# Altium PCB ASK.PcbDoc (part 2 of 2)
Units mm, origin at the board's own origin, x right, y up, seen from the top; angles counter-clockwise.
Board outline 284.7 x 94.21 mm, 2 copper layers (Component Side, Bottom Layer), stack 1.571 mm thick; 168 components, 105 nets, 606 pads, 93 vias.
Unrouted connection lines stored in the file: 2.
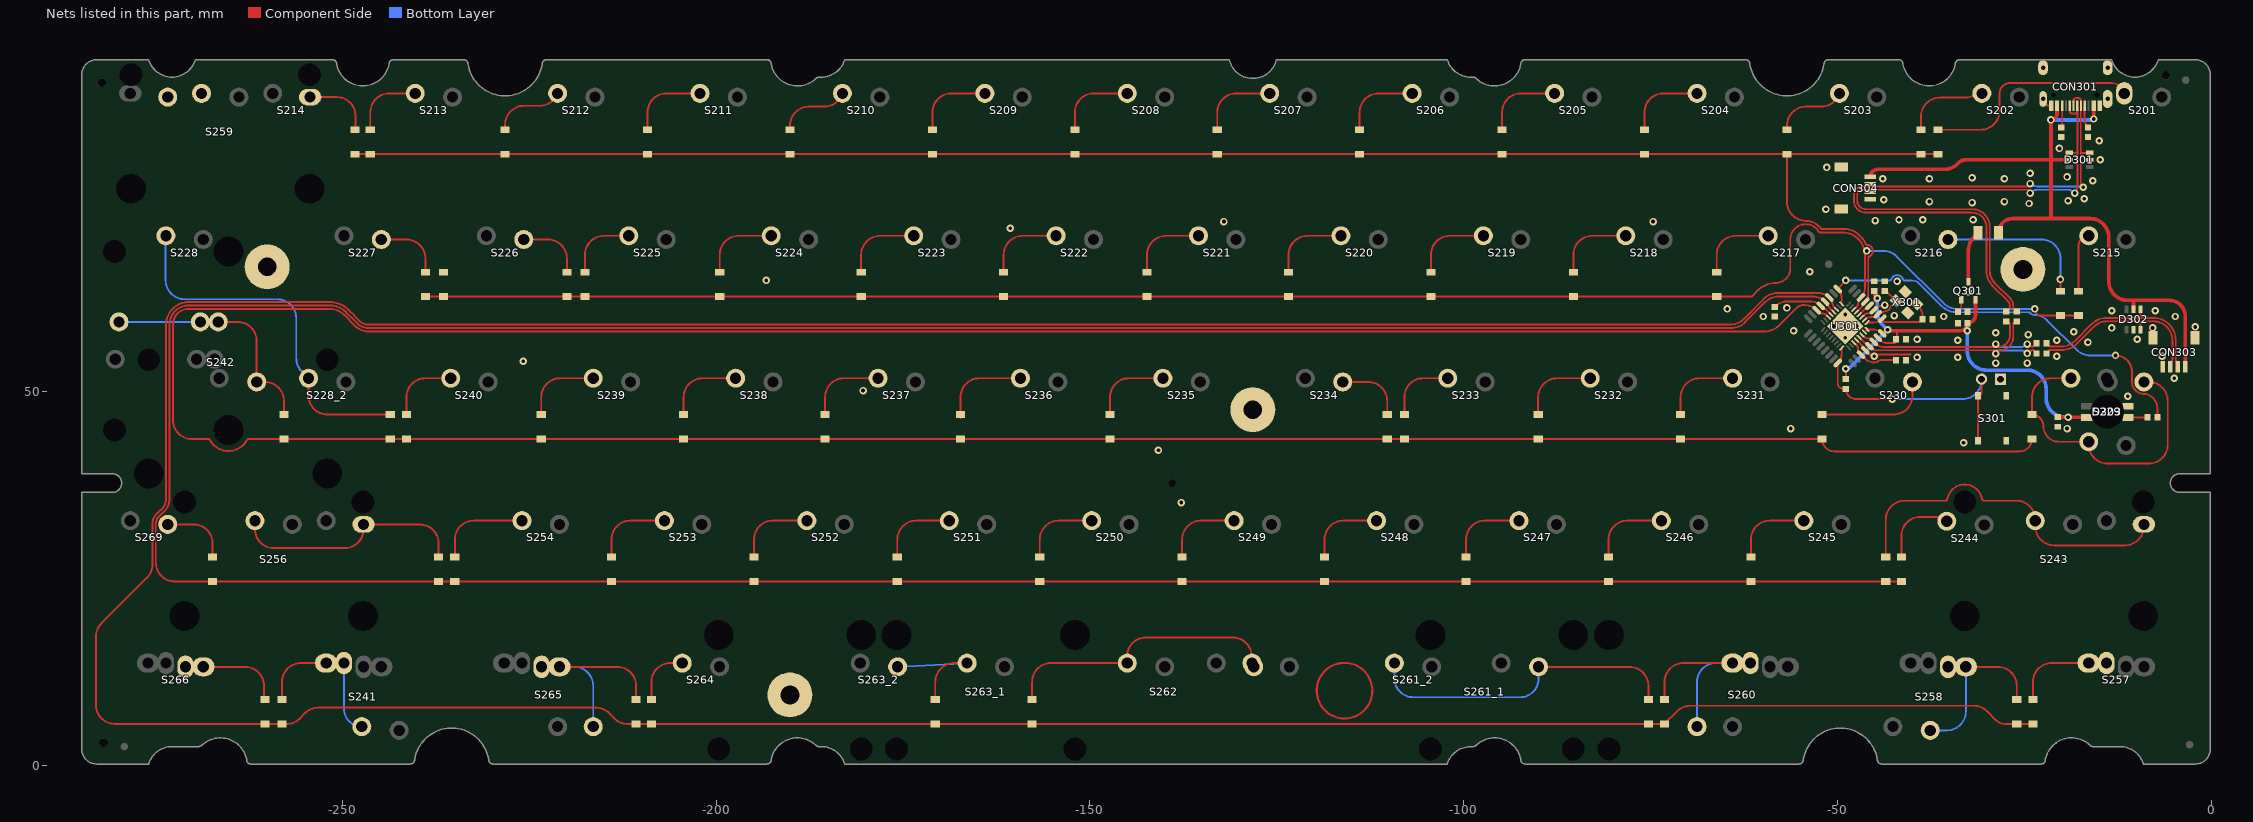
[diagram p2: the nets of this part, all layers, seen from the top]

## Via types
v1: diameter 1, hole 0.5, Component Side to Bottom Layer, tented both sides, 88 vias
v2: diameter 1, hole 0.5, Component Side to Bottom Layer, tented bottom, 5 vias

## Nets (pads, with @x,y where several pads share a name; then routed paths per layer and width w, separated by ;. In a path a pad name is that pad's centre, name@x,y a point inside that pad or via, vN(x,y) a via of type N, cw(c..) or ccw(c..) an arc to the next point about the centre after c; other vN are vias at no path point) (continued)
D_ALT_N: CON303.2 D302.4 R309.2 | length 25.4
  Component Side w0.254: R309.2@-22.083,56.515 -21.827,56.259 cw(c-21.868,56.218) -21.81,56.218 ccw(c-21.752,56.218) -21.793,56.177 ccw(c-21.475,56.495) -21.475,56.045 -20.076,56.045 ccw(c-20.076,58.585) -18.28,56.789 -16.053,59.015 ; -16.052,59.016 cw(c-13.935,56.899) -13.935,59.893 -9.525,59.893 ; D302.4@-9.464,61.065 -9.464,59.954 cw(c-9.525,59.954) -9.525,59.893 ; CON303.2@-4.5,53.375 -4.5,53.658 ccw(c-4.963,53.658) -4.636,53.986 cw(c-4.308,54.313) -4.771,54.313 -4.771,56.896 ccw(c-7.769,56.896) -7.769,59.893 -9.525,59.893
D_ALT_P: CON303.3 D302.3 R308.2 | length 24.6
  Component Side w0.254: R308.2@-22.083,55.118 -21.827,55.374 ccw(c-21.868,55.415) -21.81,55.415 cw(c-21.752,55.415) -21.793,55.456 cw(c-21.475,55.138) -21.475,55.588 -20.074,55.588 ccw(c-20.074,58.582) -17.957,56.465 -15.73,58.692 cw(c-13.934,56.896) -13.934,59.436 -9.525,59.436 ; D302.3@-9.464,58.315 -9.464,59.375 ccw(c-9.525,59.375) -9.525,59.436 ; CON303.3@-5.5,53.375 -5.5,53.658 cw(c-5.037,53.658) -5.364,53.986 ccw(c-5.692,54.313) -5.229,54.313 -5.229,56.896 ccw(c-7.769,56.896) -7.769,59.436 -9.525,59.436
D_N: CON301.A7 CON301.B7 CON304.2 D301.3 R305.2 | length 79.2
  Component Side w0.254: -29.222,64.136 cw(c-27.105,66.252) -30.099,66.252 -30.099,72.06 ccw(c-32.004,72.06) -32.004,73.965 -45.68,73.965 -46.228,73.965 cw(c-46.228,75.565) -47.828,75.565 -47.828,76.386 cw(c-46.736,76.386) -46.736,77.479 v1@-24.384,77.479 ; -29.221,64.135 -27.25,62.164 cw(c-27.946,61.468) -26.962,61.468 -26.962,61.329 cw(c-27.412,61.329) -27.094,61.011 cw(c-27.135,61.052) -27.135,60.994 ccw(c-27.135,60.936) -27.176,60.977 R305.2@-27.432,60.721 ; CON301.A7@-18.427,88.642 -18.427,88.975 cw(c-18.1,88.975) -18.1,89.302 -17.8,89.302 cw(c-17.8,88.975) -17.473,88.975 -17.473,88.356 ccw(c-17.219,88.356) CON301.B7@-17.45,88.25 ccw(c-17.45,88.229) -17.471,88.229 -17.471,81.915 ; v1(-17.145,77.343) -17.471,77.669 -17.471,81.915 ; D301.3@-16.278,81.976 cw(c-16.425,82.123) -16.425,81.915 -17.471,81.915
  Bottom Layer w0.254: v1(-24.257,77.851) ccw(c-23.358,78.75) -23.358,77.479 -17.472,77.479 cw(c-17.472,77.016) v1(-17.145,77.343)
D_P: CON301.A6 CON301.B6 CON304.3 D301.4 R304.2 | length 79.3
  Component Side w0.254: R304.2@-26.035,60.721 -26.291,60.977 ccw(c-26.332,60.936) -26.332,60.994 cw(c-26.332,61.052) -26.373,61.011 cw(c-26.055,61.329) -26.505,61.329 -26.505,61.471 ccw(c-27.939,61.471) -26.925,62.485 -28.898,64.458 cw(c-27.102,66.254) -29.642,66.254 -29.642,72.06 ccw(c-32.004,72.06) -32.004,74.422 -43.877,74.422 -44.75,74.422 -46.228,74.422 cw(c-46.228,75.565) -46.589,74.481 cw(c-46.228,75.565) -47.25,75.054 cw(c-46.228,75.565) -47.371,75.565 -47.371,76.386 cw(c-46.736,76.386) -47.333,76.602 cw(c-46.736,76.386) -46.922,76.994 cw(c-46.736,76.386) -46.736,77.021 v1@-24.384,77.021 ; D301.4@-19.028,81.976 -18.076,81.976 cw(c-18.076,81.768) -17.929,81.915 ; CON301.B6@-18.95,88.678 CON301.B6@-18.95,88.25 cw(c-19.181,88.144) -18.927,88.144 -18.927,87.525 ccw(c-18.6,87.525) -18.6,87.198 -18.3,87.198 ccw(c-18.3,87.525) -17.973,87.525 -17.973,88.144 cw(c-17.719,88.144) CON301.A6@-17.95,88.25 cw(c-17.95,88.229) -17.929,88.229 -17.929,81.915 ; v1@-18.415,76.327 ccw(c-19.589,77.501) -17.968,77.141 ccw(c-18.216,77.196) -17.964,77.231 cw(c-17.145,77.343) -17.939,77.575 ccw(c-18.183,77.646) -17.929,77.647 -17.929,81.915
  Bottom Layer w0.254: v1(-24.257,76.581) cw(c-23.194,75.518) -23.194,77.021 -19.109,77.021 cw(c-19.109,76.327) v1@-18.415,76.327
  other v1: -18.288,76.581
D_PRE_N: R305.1 R309.1 U301.30 | length 28.9
  Component Side w0.254: U301.30@-46.757,57.631 -46.579,57.453 ccw(c-45.847,58.185) -45.847,57.15 cw(c-45.847,56.648) -45.492,57.003 U301.30@-45.166,56.676 -44.888,56.399 ccw(c-43.942,57.345) -43.942,56.007 -28.486,56.007 ccw(c-28.486,57.531) -26.962,57.531 -26.962,58.951 ccw(c-27.432,58.951) R305.1@-27.432,59.421 ; -24.157,56.109 ccw(c-24.003,56.263) -24.003,56.045 -23.991,56.045 ccw(c-23.991,56.495) -23.673,56.177 ccw(c-23.714,56.218) -23.656,56.218 cw(c-23.598,56.218) -23.639,56.259 R309.1@-23.383,56.515
  Bottom Layer w0.254: v1(-28.829,56.388) ccw(c-28.423,56.388) -28.423,55.982 -25.795,55.982 -25.787,55.989 -25.442,55.989 ccw(c-25.442,56.67) -24.96,56.189 -24.848,56.301 cw(c-24.638,56.091) v1(-24.638,56.388)
D_PRE_P: R304.1 R308.1 U301.29 | length 30.8
  Component Side w0.254: U301.29@-47.11,57.277 -46.093,56.261 ccw(c-45.731,56.623) U301.29@-45.731,56.111 -45.451,55.83 ccw(c-44.774,56.507) -44.774,55.55 -28.297,55.55 ccw(c-28.297,57.342) -26.505,57.342 -26.505,58.951 cw(c-26.035,58.951) R304.1@-26.035,59.421 ; v1(-24.638,55.133) ccw(c-24.638,55.568) -24.331,55.26 -24.003,55.588 -23.991,55.588 cw(c-23.991,55.138) -23.673,55.456 cw(c-23.714,55.415) -23.656,55.415 ccw(c-23.598,55.415) -23.639,55.374 R308.1@-23.383,55.118
  Bottom Layer w0.254: v1(-28.829,55.118) cw(c-28.423,55.118) -28.423,55.524 -25.606,55.524 -25.598,55.532 -25.442,55.532 cw(c-25.442,54.851) -24.96,55.332 -24.848,55.22 ccw(c-24.638,55.43) v1(-24.638,55.133)
GND: C301.1 C302.1 C303.1 C304.1 C305.1 C306.1 C307.1 CON301.A1B12 CON301.B1A12 CON301.S1 CON302.1 CON303.4 CON303.5 CON304.4 CON304.5 D301.2 D302.2 D303.3 pad.@-25.2,66.365 pad.@-128.212,47.614 pad.@-190.119,9.45 pad.@-260.05,66.715 R302.2 R306.2 R307.2 R310.2 S301.1 U301.3 U301.28 X301.2 X301.4 | length 36.7
  Component Side w0.254: U301.28@-47.464,56.924 U301.28@-46.447,55.907 ; U301.3@-46.757,59.964 -46.388,60.333 cw(c-46.101,60.046) -46.101,60.452 ccw(c-46.101,61.583) -45.302,60.783 U301.3@-45.166,60.919 -45.057,61.028 cw(c-43.688,59.66) v1(-43.688,61.595) ; U301.28@-46.447,55.907 cw(c-46.809,55.545) U301.28@-46.297,55.545 -45.737,54.985 -40.229,54.985 ; CON301.S1@-22.52,89.165 ccw(c-21.605,89.165) -21.605,88.25 CON301.B1A12@-21.45,88.25
  Component Side w0.279: -112.231,10.152 cw(c-115.948,10.029) -112.231,10.166
  other v1: -137.795,35.179 -140.843,42.164 -33.147,43.18 -56.261,45.085 -19.304,45.085 -11.176,49.403 -180.34,50.165 -4.953,51.816 -28.829,53.848 -24.638,53.848 -225.806,54.102 -39.37,54.61 -33.909,54.61 -45.085,54.737 -20.701,54.737 -6.604,54.737 -16.51,56.642 -33.909,56.896 -20.701,56.896 -39.37,57.023 -9.906,57.023 -24.511,57.658 -28.829,57.912 -18.415,58.039 -55.88,58.166 -13.335,58.547 -7.874,58.547 -2.159,58.674 -59.944,60.071 -35.814,60.071 -4.826,60.071 -42.418,60.198 -13.335,60.833 -7.493,60.833 -64.77,61.087 -56.769,61.214 -32.512,63.373 -42.037,64.77 -193.294,64.897 -53.721,66.04 -160.655,71.882 -132.08,72.771 -74.676,72.771 -44.958,72.898 -41.783,73.025 -38.608,73.025 -31.877,73.025 -51.562,74.422 -24.384,75.184 -32.004,75.311 -37.719,75.438 -27.686,75.438 -19.177,75.565 -43.815,75.692 -17.018,75.819 -15.875,78.232 -43.942,78.486 -37.719,78.486 -27.686,78.486 -32.004,78.613 -19.304,78.74 -24.257,79.248 -51.435,80.01 -14.859,81.026 -20.32,82.55 -14.986,83.566
  other v2: -48.984,57.242 -50.54,58.798 -48.984,58.798 -47.428,58.798 -48.984,60.353
LED: R311.2 U301.9 | length 55.5
  Component Side w0.254: U301.9@-49.444,61.732 -49.444,62.467 ccw(c-51.254,62.467) U301.9@-49.974,63.747 v1(-48.895,64.897) ; v1(-12.827,54.864) cw(c-12.827,52.66) -10.623,52.66 -10.623,51.442 ccw(c-9.031,51.315) -10.587,50.955 ccw(c-9.031,51.315) -9.172,49.724 ccw(c-9.031,51.315) -9.028,49.718 cw(c-9.027,49.464) -9.005,49.717 cw(c-9.172,47.776) -7.224,47.776 R311.2@-7.224,46.609
  Bottom Layer w0.254: v1(-48.895,64.897) -43.049,64.897 ccw(c-43.049,65.151) -42.811,65.061 cw(c-42.037,64.77) -41.263,65.061 ccw(c-41.025,65.151) -41.025,64.897 -40.295,64.897 cw(c-40.295,62.357) -39.351,64.715 cw(c-39.446,64.479) -39.265,64.658 -36.117,61.51 ccw(c-34,63.627) -34,60.633 -24.44,60.633 cw(c-24.439,60.379) -24.247,60.545 ccw(c-23.622,61.087) -23.622,60.26 cw(c-23.622,57.957) -21.994,59.586 -18.016,55.608 ccw(c-16.22,57.404) -16.22,54.864 v1(-12.827,54.864)
NetC301_2: C301.2 U301.27 | length 7
  Component Side w0.254: U301.27@-47.817,56.57 -47.417,56.17 cw(c-47.833,55.753) -47.244,55.753 ccw(c-46.297,55.753) -46.967,55.083 U301.27@-46.863,54.979 -46.294,54.411 ccw(c-45.085,55.62) -45.872,54.102 ccw(c-45.085,55.62) -45.085,53.91 ccw(c-45.085,54.737) -44.615,54.057 ccw(c-45.085,54.737) -44.613,54.058 ccw(c-45.085,54.737) -44.534,54.12 cw(c-44.365,53.931) -44.49,54.152 cw(c-44.199,53.641) -44.199,54.229 C301.2@-42.179,54.229
NetC305_2: C305.2 U301.2 X301.3 | length 7.3
  Component Side w0.254: U301.2@-46.403,59.611 -46.373,59.641 cw(c-45.466,58.734) -45.466,60.017 -45.413,60.017 ccw(c-45.413,61.167) U301.2@-44.6,60.353 -43.985,60.635 cw(c-43.734,60.088) -43.908,60.665 -43.449,60.803 ccw(c-43.688,61.595) -43.229,60.907 ccw(c-43.688,61.595) -42.895,61.36 cw(c-42.652,61.288) -42.831,61.467 X301.3@-42.146,62.153 -43.33,63.337 ccw(c-43.688,62.978) C305.2@-43.688,63.485 ; X301.3@-42.571,62.363 X301.3@-42.527,62.407
NetC306_2: C306.2 U301.1 X301.1 | length 11.8
  Component Side w0.254: U301.1@-46.05,59.257 -45.315,59.257 ccw(c-45.315,61.068) U301.1@-44.034,59.788 ccw(c-43.556,59.788) -43.556,59.309 -39.543,59.309 ccw(c-39.543,60.61) C306.2@-38.623,59.69 -38.623,59.982 ccw(c-41.163,59.982) -39.116,61.486 ccw(c-41.163,59.982) -39.367,61.778 X301.1@-39.388,61.799 ; X301.1@-39.768,62.053 cw(c-40.733,61.09) X301.1@-39.37,61.09 ; X301.1@-39.769,62.053 cw(c-39.465,62.053) X301.1@-39.465,62.357
NetCON301_A5: CON301.A5 R310.1 | length 3
  Component Side w0.254: CON301.A5@-16.95,88.25 -16.95,86.421 ccw(c-15.448,86.421) R310.1@-16.51,85.359
NetCON301_B5: CON301.B5 R307.1 | length 3
  Component Side w0.254: R307.1@-20.066,85.359 ccw(c-20.066,85.475) -19.95,85.475 CON301.B5@-19.95,88.25
NetD201_1: D201.1 S201.1 | length 30.6
  Component Side w0.254: D201.1@-36.576,85.05 -30.861,85.05 ccw(c-30.861,87.59) -28.321,87.59 -28.321,89.916 cw(c-26.924,89.916) -26.924,91.313 -13.56,91.313 cw(c-13.56,88.773) -11.764,90.569 -11.69,90.495 ccw(c-12.254,90.495) S201.1@-12.254,91.059
NetD202_1: D202.1 S202.1 | length 12.9
  Component Side w0.254: D202.1@-38.862,85.05 -38.862,85.117 -38.862,86.799 cw(c-36.322,86.799) -36.322,89.339 -34.32,89.339 cw(c-34.036,86.358) -34.036,89.352 -32.935,89.352 ccw(c-32.935,91.892) -31.139,90.096 -30.74,90.495 cw(c-32.208,90.495) S202.1@-31.209,89.419
NetD203_1: D203.1 S203.1 | length 10.3
  Component Side w0.254: D203.1@-56.769,85.05 -56.769,85.598 cw(c-54.229,85.598) -54.229,88.138 -52.147,88.138 ccw(c-52.147,90.495) S203.1@-49.79,90.495
NetD204_1: D204.1 S204.1 | length 10.8
  Component Side w0.254: D204.1@-75.819,85.05 -75.819,87.375 cw(c-73.279,87.375) -73.279,89.915 S204.1@-68.8,89.915
NetD205_1: D205.1 S205.1 | length 10.8
  Component Side w0.254: D205.1@-94.869,85.05 -94.869,87.375 cw(c-92.329,87.375) -92.329,89.915 S205.1@-87.85,89.915
NetD206_1: D206.1 S206.1 | length 10.8
  Component Side w0.254: D206.1@-113.919,85.05 -113.919,87.375 cw(c-111.379,87.375) -111.379,89.915 S206.1@-106.9,89.915
NetD207_1: D207.1 S207.1 | length 10.8
  Component Side w0.254: D207.1@-132.969,85.05 -132.969,87.375 cw(c-130.429,87.375) -130.429,89.915 S207.1@-125.95,89.915
NetD208_1: D208.1 S208.1 | length 10.8
  Component Side w0.254: D208.1@-152.019,85.05 -152.019,87.375 cw(c-149.479,87.375) -149.479,89.915 S208.1@-145,89.915
NetD209_1: D209.1 S209.1 | length 10.8
  Component Side w0.254: D209.1@-171.069,85.05 -171.069,87.375 cw(c-168.529,87.375) -168.529,89.915 S209.1@-164.05,89.915
NetD210_1: D210.1 S210.1 | length 10.3
  Component Side w0.254: D210.1@-190.119,85.05 -190.119,85.598 cw(c-187.579,85.598) -187.579,88.138 -185.497,88.138 ccw(c-185.497,90.495) S210.1@-183.14,90.495
NetD211_1: D211.1 S211.1 | length 10.8
  Component Side w0.254: D211.1@-209.169,85.05 -209.169,87.375 cw(c-206.629,87.375) -206.629,89.915 S211.1@-202.15,89.915
NetD212_1: D212.1 S212.1 | length 10.4
  Component Side w0.254: D212.1@-228.219,85.05 -228.219,85.725 cw(c-225.679,85.725) -225.679,88.265 -223.47,88.265 ccw(c-223.47,90.495) S212.1@-221.24,90.495
NetD213_1: D213.1 S213.1 | length 9.8
  Component Side w0.254: D213.1@-246.253,85.05 -246.253,87.375 cw(c-243.713,87.375) -243.713,89.915 S213.1@-240.25,89.915
NetD214_1: D214.1 S214.1 | length 9.4
  Component Side w0.254: S214.1@-254.3,89.415 -250.759,89.415 cw(c-250.759,86.875) -248.219,86.875 D214.1@-248.219,85.05
NetD215_1: D215.1 S215.1 | length 8.8
  Component Side w0.254: D215.1@-17.78,63.46 -17.78,69.498 cw(c-16.412,69.498) S215.1@-16.452,70.864 ; S215.1@-16.452,71.445 S215.1@-16.452,70.864 ; S215.1@-16.412,70.865 ccw(c-16.412,69.498) S215.1@-16.452,70.864
NetD216_1: D216.1 S216.1 | length 21.2
  Component Side w0.254: v1(-20.193,65.024) D216.1@-20.193,63.46 ; D216.1@-20.193,63.46 cw(c-20.31,63.46) -20.31,63.343 D216.1@-20.193,63.46
  Bottom Layer w0.254: S216.1@-35.225,70.365 -22.733,70.365 cw(c-22.733,67.825) -20.193,67.825 v1(-20.193,65.024)
NetD217_1: D217.1 S217.1 | length 10.7
  Component Side w0.254: D217.1@-66.167,66 -66.167,68.325 cw(c-63.627,68.325) -63.627,70.865 S217.1@-59.275,70.865
NetD218_1: D218.1 S218.1 | length 10.8
  Component Side w0.254: D218.1@-85.344,66 -85.344,68.325 cw(c-82.804,68.325) -82.804,70.865 S218.1@-78.325,70.865
NetD219_1: D219.1 S219.1 | length 10.8
  Component Side w0.254: D219.1@-104.394,66 -104.394,68.325 cw(c-101.854,68.325) -101.854,70.865 S219.1@-97.375,70.865
NetD220_1: D220.1 S220.1 | length 10.8
  Component Side w0.254: D220.1@-123.444,66 -123.444,68.325 cw(c-120.904,68.325) -120.904,70.865 S220.1@-116.425,70.865
NetD221_1: D221.1 S221.1 | length 10.7
  Component Side w0.254: D221.1@-142.367,66 -142.367,68.325 cw(c-139.827,68.325) -139.827,70.865 S221.1@-135.475,70.865
NetD222_1: D222.1 S222.1 | length 10.8
  Component Side w0.254: D222.1@-161.544,66 -161.544,68.325 cw(c-159.004,68.325) -159.004,70.865 S222.1@-154.525,70.865
NetD223_1: D223.1 S223.1 | length 10.8
  Component Side w0.254: D223.1@-180.594,66 -180.594,68.325 cw(c-178.054,68.325) -178.054,70.865 S223.1@-173.575,70.865
NetD224_1: D224.1 S224.1 | length 10.7
  Component Side w0.254: D224.1@-199.517,66 -199.517,68.325 cw(c-196.977,68.325) -196.977,70.865 S224.1@-192.625,70.865
NetD225_1: D225.1 S225.1 | length 9.7
  Component Side w0.254: D225.1@-217.551,66 -217.551,68.325 cw(c-215.011,68.325) -215.011,70.865 S225.1@-211.675,70.865
NetD226_1: D226.1 S226.1 | length 9
  Component Side w0.254: S226.1@-225.725,70.365 -222.504,70.365 cw(c-222.504,67.825) -219.964,67.825 D226.1@-219.964,66
NetD227_1: D227.1 S227.1 | length 9.2
  Component Side w0.254: S227.1@-244.775,70.365 -241.427,70.365 cw(c-241.427,67.825) -238.887,67.825 D227.1@-238.887,66
NetD228_1: D228.1 S259.1 | length 0.6
  Bottom Layer w0.254: S259.1@-269.5,90.495 S259.1@-268.865,90.495
NetD229_1: D229.1 S229.1 | length 43
  Component Side w0.254: S229.1@-18.794,51.815 -21.463,51.815 ccw(c-21.463,49.275) -24.003,49.275 D229.1@-24.003,46.95 cw(c-24.003,45.426) -22.479,45.426 ccw(c-20.368,45.426) -20.368,43.315 S229.1@-16.412,43.315 -16.412,42.926 ccw(c-13.872,42.926) -13.872,40.386 -8.382,40.386 ccw(c-8.382,42.926) -5.842,42.926 -5.842,48.775 ccw(c-8.382,48.775) -8.382,51.315 S229.1@-9.031,51.315
NetD230_1: D230.1 S230.1 | length 15.4
  Component Side w0.254: D230.1@-52.07,46.95 -42.527,46.95 ccw(c-42.527,49.49) -39.987,49.49 S230.1@-39.987,51.315
NetD231_1: D231.1 S231.1 | length 10.7
  Component Side w0.254: D231.1@-70.993,46.95 -70.993,49.275 cw(c-68.453,49.275) -68.453,51.815 S231.1@-64.037,51.815
NetD232_1: D232.1 S232.1 | length 10.7
  Component Side w0.254: D232.1@-90.043,46.95 -90.043,49.275 cw(c-87.503,49.275) -87.503,51.815 S232.1@-83.087,51.815
NetD233_1: D233.1 S233.1 | length 9.6
  Component Side w0.254: D233.1@-107.95,46.95 -107.95,49.275 cw(c-105.41,49.275) -105.41,51.815 S233.1@-102.137,51.815
NetD234_1: D234.1 S234.1 | length 9.2
  Component Side w0.254: S234.1@-116.187,51.315 -112.776,51.315 cw(c-112.776,48.775) -110.236,48.775 D234.1@-110.236,46.95
NetD235_1: D235.1 S235.1 | length 10.9
  Component Side w0.254: D235.1@-147.32,46.95 -147.32,49.275 cw(c-144.78,49.275) -144.78,51.815 S235.1@-140.237,51.815
NetD236_1: D236.1 S236.1 | length 12.2
  Component Side w0.254: D236.1@-167.32,46.515 D236.1@-167.32,46.95 -167.32,49.275 cw(c-164.78,49.275) -164.78,51.815 S236.1@-159.287,51.815
NetD237_1: D237.1 S237.1 | length 10.9
  Component Side w0.254: D237.1@-185.42,46.95 -185.42,49.275 cw(c-182.88,49.275) -182.88,51.815 S237.1@-178.337,51.815
NetD238_1: D238.1 S238.1 | length 10.7
  Component Side w0.254: D238.1@-204.343,46.95 -204.343,49.275 cw(c-201.803,49.275) -201.803,51.815 S238.1@-197.387,51.815
NetD239_1: D239.1 S239.1 | length 10.7
  Component Side w0.254: D239.1@-223.393,46.95 -223.393,49.275 cw(c-220.853,49.275) -220.853,51.815 S239.1@-216.437,51.815
NetD240_1: D240.1 S240.1 | length 9.7
  Component Side w0.254: D240.1@-241.427,46.95 -241.427,49.275 cw(c-238.887,49.275) -238.887,51.815 S240.1@-235.487,51.815
NetD241_1: D241.1 S242.1 | length 29.9
  Component Side w0.254: S242.1@-266.599,59.345 -263.99,59.345 cw(c-263.99,56.805) -261.45,56.805 S242.1@-261.45,51.315 -260.35,51.315 cw(c-260.35,48.775) -257.81,48.775 D241.1@-257.81,46.95
  Bottom Layer w0.254: S242.1@-279.861,59.345 S242.1@-268.98,59.345
NetD242_1: D242.1 S228.1 S228_2.1 | length 50.2
  Component Side w0.254: S228_2.1@-254.512,51.815 -254.512,49.49 ccw(c-251.972,49.49) -251.972,46.95 D242.1@-243.586,46.95
  Bottom Layer w0.254: S228.1@-273.627,71.445 -273.627,64.919 ccw(c-271.087,64.919) -271.087,62.379 -258.699,62.379 cw(c-258.699,59.839) -256.159,59.839 -256.159,54.514 ccw(c-253.619,54.514) -255.415,52.718 S228_2.1@-254.512,51.815
NetD243_1: D243.1 S243.1 | length 48.6
  Component Side w0.254: D243.1@-43.561,27.9 -43.561,32.893 cw(c-41.021,32.893) -41.021,35.433 -35.567,35.433 ccw(c-35.567,35.687) -35.317,35.644 cw(c-32.994,35.25) -30.672,35.643 ccw(c-30.421,35.687) -30.421,35.433 -26.096,35.433 cw(c-26.096,32.893) -23.556,32.893 S243.1@-23.556,32.765 -23.556,32.004 ccw(c-21.016,32.004) -21.016,29.464 -11.571,29.464 ccw(c-11.571,32.004) -9.031,32.004 S243.1@-9.031,32.265
NetD244_1: D244.1 S244.2 | length 10.3
  Component Side w0.254: D244.1@-41.468,27.9 -41.468,30.734 cw(c-38.928,30.734) -38.928,33.274 S244.2@-35.433,33.274
NetD245_1: D245.1 S245.1 | length 10.9
  Component Side w0.254: D245.1@-61.595,27.9 -61.595,30.225 cw(c-59.055,30.225) -59.055,32.765 S245.1@-54.512,32.765
NetD246_1: D246.1 S246.1 | length 10.9
  Component Side w0.254: D246.1@-80.645,27.9 -80.645,30.225 cw(c-78.105,30.225) -78.105,32.765 S246.1@-73.562,32.765
NetD247_1: D247.1 S247.1 | length 10.9
  Component Side w0.254: D247.1@-99.695,27.9 -99.695,30.225 cw(c-97.155,30.225) -97.155,32.765 S247.1@-92.612,32.765
NetD248_1: D248.1 S248.1 | length 10.7
  Component Side w0.254: D248.1@-118.618,27.9 -118.618,30.225 cw(c-116.078,30.225) -116.078,32.765 S248.1@-111.662,32.765
NetD249_1: D249.1 S249.1 | length 10.7
  Component Side w0.254: D249.1@-137.668,27.9 -137.668,30.225 cw(c-135.128,30.225) -135.128,32.765 S249.1@-130.712,32.765
NetD250_1: D250.1 S250.1 | length 10.7
  Component Side w0.254: D250.1@-156.718,27.9 -156.718,30.225 cw(c-154.178,30.225) -154.178,32.765 S250.1@-149.762,32.765
NetD251_1: D251.1 S251.1 | length 10.7
  Component Side w0.254: D251.1@-175.768,27.9 -175.768,30.225 cw(c-173.228,30.225) -173.228,32.765 S251.1@-168.812,32.765
NetD252_1: D252.1 S252.1 | length 10.9
  Component Side w0.254: D252.1@-194.945,27.9 -194.945,30.225 cw(c-192.405,30.225) -192.405,32.765 S252.1@-187.862,32.765
NetD253_1: D253.1 S253.1 | length 10.9
  Component Side w0.254: D253.1@-213.995,27.9 -213.995,30.225 cw(c-211.455,30.225) -211.455,32.765 S253.1@-206.912,32.765
NetD254_1: D254.1 S254.1 | length 12.8
  Component Side w0.254: D254.1@-234.95,27.9 -234.95,30.225 cw(c-232.41,30.225) -232.41,32.765 S254.1@-225.962,32.765
NetD255_1: D255.1 S256.2 | length 32.5
  Component Side w0.254: S256.2@-261.68,32.765 -261.68,31.623 ccw(c-259.14,31.623) -259.14,29.083 -249.695,29.083 ccw(c-249.695,31.623) -247.155,31.623 S256.2@-247.155,32.265 -239.649,32.265 cw(c-239.649,29.725) -237.109,29.725 D255.1@-237.109,27.9
NetD256_1: D256.1 S269.1 | length 9.3
  Component Side w0.254: S269.1@-273.35,32.265 -269.875,32.265 cw(c-269.875,29.725) -267.335,29.725 D256.1@-267.335,27.9
NetD257_1: D257.1 S257.2 | length 11.2
  Component Side w0.254: D257.1@-23.876,8.85 -23.876,11.175 cw(c-21.336,11.175) -21.336,13.715 S257.2@-16.412,13.715
NetD258_1: D258.1 S258.1 | length 22.3
  Component Side w0.254: S258.1@-32.843,13.215 -28.575,13.215 cw(c-28.575,10.675) -26.035,10.675 D258.1@-26.035,8.85
  Bottom Layer w0.254: S258.1@-37.606,4.715 -35.383,4.715 ccw(c-35.383,7.255) -32.843,7.255 S258.1@-32.843,13.215
NetD259_1: D259.1 S260.2 | length 25.1
  Component Side w0.254: D259.1@-73.152,8.85 -73.152,11.175 cw(c-70.612,11.175) -70.612,13.715 S260.2@-64.037,13.715
  Bottom Layer w0.254: S260.2@-68.799,5.215 -68.799,11.175 cw(c-66.259,11.175) -66.259,13.715 S260.2@-64.037,13.715
NetD260_1: D260.1 S261_1.1 S261_2.1 | length 43.7
  Component Side w0.254: S261_1.1@-89.993,13.215 -77.851,13.215 cw(c-77.851,10.675) -75.311,10.675 D260.1@-75.311,8.85
  Bottom Layer w0.254: S261_2.1@-109.28,13.715 -109.28,11.684 ccw(c-106.74,11.684) -106.74,9.144 -92.456,9.144 ccw(c-92.456,11.607) -89.993,11.607 S261_1.1@-89.993,13.215
NetD261_1: D261.1 S262.2 | length 37.8
  Component Side w0.254: D261.1@-157.734,8.85 -157.734,11.175 cw(c-155.194,11.175) -155.194,13.715 -155.032,13.715 S262.2@-144.999,13.715 ; S262.2@-145.039,14.295 -145.039,14.605 cw(c-142.499,14.605) -142.499,17.145 -130.903,17.145 cw(c-130.903,14.605) -128.363,14.605 -128.363,14.295 S262.2@-127.837,13.769
  Bottom Layer w0.254: S262.2@-145.039,14.295 S262.2@-145.039,14.478 ; S262.2@-128.363,14.295 S262.2@-128.363,14.478
NetD262_1: D262.1 S263_1.2 S263_2.1 | length 17.3
  Component Side w0.254: D262.1@-170.688,8.85 -170.688,11.175 cw(c-168.148,11.175) -168.148,13.715 S263_1.2@-166.431,13.715
  Bottom Layer w0.254: S263_2.1@-175.718,13.215 -167.085,13.68 S263_1.2@-166.431,13.715
NetD263_1: D263.1 S264.1 | length 7.9
  Component Side w0.254: D263.1@-208.661,8.85 -208.661,11.175 cw(c-206.121,11.175) -206.121,13.715 S264.1@-204.531,13.715
NetD264_1: D264.1 S265.1 | length 25
  Component Side w0.254: S265.1@-220.962,13.215 -213.233,13.215 cw(c-213.233,10.675) -210.693,10.675 D264.1@-210.693,8.85
  Bottom Layer w0.254: S265.1@-220.962,13.215 -218.977,13.215 cw(c-218.977,10.675) -216.437,10.675 S265.1@-216.437,5.215
NetD265_1: D265.1 S241.2 | length 19.5
  Component Side w0.254: D265.1@-258.064,8.85 -258.064,11.175 cw(c-255.524,11.175) -255.524,13.715 S241.2@-252.156,13.715
  Bottom Layer w0.254: S241.2@-249.774,13.715 -249.774,7.596 ccw(c-247.393,7.596) S241.2@-247.393,5.215
NetD266_1: D266.1 S266.1 | length 11.4
  Component Side w0.254: S266.1@-268.587,13.215 -263.017,13.215 cw(c-263.017,10.675) -260.477,10.675 D266.1@-260.477,8.85
NetD303_4: D303.4 R311.1 | length 2.7
  Component Side w0.254: D303.4@-11.162,46.565 -8.568,46.565 ccw(c-8.568,46.609) R311.1@-8.524,46.609
NetF301_1: F301.1 Q301.3 | length 7
  Component Side w0.5: Q301.3@-32.512,64.7 -32.512,68.878 cw(c-29.972,68.878) -31.768,70.674 F301.1@-31.195,71.247
NetQ301_1: Q301.1 R306.1 | length 1.9
  Component Side w0.254: R306.1@-33.924,60.706 ccw(c-33.924,61.168) -33.462,61.168 Q301.1@-33.462,62.3
NetR302_1: R302.1 U301.13 | length 8.4
  Component Side w0.254: R302.1@-58.42,61.356 -58.417,61.359 cw(c-56.621,59.563) -56.621,62.103 -53.729,62.103 cw(c-53.729,59.992) U301.13@-52.237,61.485 cw(c-52.237,60.973) -51.875,61.335 U301.13@-50.858,60.318
RAW: CON301.A4B9 CON301.B4A9 CON303.1 CON304.1 D301.5 D302.5 F301.2 | length 94
  Component Side w0.5: CON304.1@-45.625,78.75 cw(c-44.619,78.75) -44.619,79.756 -35.723,79.756 ccw(c-35.723,82.296) -33.927,80.5 -33.782,80.645 cw(c-32.862,79.725) -32.862,81.026 -21.463,81.026 ; F301.2@-28.495,71.247 cw(c-26.578,71.247) -26.578,73.164 -21.547,73.164 ; CON301.B4A9@-20.65,88 -20.65,87.173 cw(c-21.463,87.173) v1(-21.463,86.36) -21.463,81.026 ; D301.5@-19.197,81.026 -21.463,81.026 ; v1(-15.75,86.487) -15.75,88 CON301.A4B9@-15.748,88 ; D302.5@-10.414,61.065 -10.414,62.23 ; CON303.1@-3.5,53.375 -3.5,60.118 ccw(c-5.612,60.118) -5.612,62.23 -10.414,62.23 ; -21.546,73.164 ccw(c-21.547,73.248) -21.463,73.248 -21.463,81.026 ; -21.546,73.164 -16.256,73.164 cw(c-16.256,70.624) -16.22,73.164 cw(c-16.256,70.624) -13.716,70.624 -13.716,64.77 ccw(c-11.176,64.77) -11.176,62.23 -10.414,62.23
  Bottom Layer w0.5: v1(-21.463,86.36) -15.877,86.36 ccw(c-15.877,86.487) v1(-15.75,86.487)
row1: D201.2 D202.2 D203.2 D204.2 D205.2 D206.2 D207.2 D208.2 D209.2 D210.2 D211.2 D212.2 D213.2 D214.2 U301.5 | length 242.1
  Component Side w0.254: D214.2@-248.285,81.78 D213.2@-246.253,81.78 D212.2@-228.219,81.78 D211.2@-209.169,81.78 D210.2@-190.119,81.78 D209.2@-171.069,81.78 D208.2@-152.019,81.78 D207.2@-132.969,81.78 D206.2@-113.919,81.78 D205.2@-94.869,81.78 D204.2@-75.819,81.78 D203.2@-56.769,81.78 ; -54.095,72.864 ccw(c-54.275,70.365) -54.366,72.868 ; U301.5@-47.464,60.672 -46.447,61.688 ccw(c-46.809,62.05) U301.5@-46.297,62.05 ; U301.5@-46.297,62.051 ccw(c-47.253,63.006) -45.901,63.006 -45.901,66.675 -45.901,66.969 -45.901,67.853 cw(c-45.647,67.853) -45.754,68.083 ccw(c-46.101,68.834) -45.559,69.459 ccw(c-46.101,68.834) -45.56,69.46 ccw(c-46.101,68.834) -46.066,69.66 cw(c-46.055,69.914) -46.185,69.696 ccw(c-49.349,68.326) -47.216,71.035 cw(c-47.059,71.235) -47.236,71.053 ccw(c-49.009,69.234) -49.009,71.774 -52.074,71.774 cw(c-52.074,72.028) -52.276,71.875 ccw(c-54.275,70.365) -53.168,72.612 ccw(c-54.275,70.365) -54.366,72.868 ; D201.2@-36.449,81.78 D201.2@-36.576,81.78 D202.2@-38.862,81.78 D203.2@-56.769,81.78 ; D203.2@-56.769,81.78 -56.769,75.404 ccw(c-54.229,75.404) -54.391,72.869 ccw(c-54.375,73.122) -54.367,72.868 ccw(c-54.375,73.122) -54.366,72.868
row2: D215.2 D216.2 D217.2 D218.2 D219.2 D220.2 D221.2 D222.2 D223.2 D224.2 D225.2 D226.2 D227.2 D228.2 U301.6 | length 280
  Component Side w0.254: D227.2@-238.76,62.73 D228.2@-236.474,62.73 D226.2@-219.964,62.73 D225.2@-217.551,62.73 D224.2@-199.517,62.73 D223.2@-180.594,62.73 ; -141.478,62.73 D223.2@-180.594,62.73 ; U301.6@-47.817,61.025 -47.331,61.511 ccw(c-47.542,61.722) -47.244,61.722 cw(c-46.006,61.722) -46.881,62.597 U301.6@-46.863,62.616 ccw(c-48.088,63.842) -46.751,62.739 ccw(c-48.088,63.842) -46.534,63.075 ccw(c-48.088,63.842) -46.355,63.842 -46.355,68.526 cw(c-46.171,68.701) -46.407,68.606 ccw(c-47.063,68.341) -46.433,68.664 cw(c-46.101,68.834) -46.469,68.893 ccw(c-47.168,69.01) -46.492,69.222 ccw(c-49.349,68.326) -49.349,71.32 -52.324,71.32 cw(c-52.312,71.574) -52.529,71.441 ccw(c-54.275,70.365) -53.794,72.359 ccw(c-54.275,70.365) -56.097,71.306 ccw(c-54.275,70.365) -56.31,70.622 cw(c-56.562,70.654) -56.314,70.599 ccw(c-55.694,70.463) -56.329,70.463 -56.329,66.322 cw(c-58.233,66.484) -58.057,64.581 cw(c-58.233,66.484) -58.233,64.573 ccw(c-58.233,61.125) -60.259,63.915 ccw(c-58.233,61.125) -60.375,63.827 ccw(c-58.233,61.125) -60.671,63.563 -61.429,62.805 cw(c-61.609,62.984) -61.609,62.73 D217.2@-66.167,62.73 D218.2@-85.344,62.73 D223.2@-180.594,62.73 ; v1(-23.622,61.087) ccw(c-22.725,61.087) -22.725,60.19 D216.2@-20.193,60.19 D215.2@-17.78,60.19
  Bottom Layer w0.254: v1(-46.101,68.834) -43.851,68.834 cw(c-43.851,66.294) -43.5,68.81 cw(c-43.851,66.294) -42.055,68.09 -35.796,61.831 ccw(c-34,63.627) -34,61.087 v1(-23.622,61.087)
row3: D229.2 D230.2 D231.2 D232.2 D233.2 D234.2 D235.2 D236.2 D237.2 D238.2 D239.2 D240.2 D241.2 D242.2 U301.14 | length 491.4
  Component Side w0.254: U301.14@-51.211,59.964 -51.526,60.279 ccw(c-51.943,59.863) -51.943,60.452 cw(c-51.943,61.399) -52.613,60.729 U301.14@-52.802,60.919 ccw(c-54.434,59.287) -52.803,60.92 ccw(c-54.434,59.287) -54.434,61.595 -54.548,61.595 ccw(c-54.548,60.202) -55.533,61.187 -57.898,58.822 cw(c-59.694,60.618) -59.494,58.086 cw(c-59.694,60.618) -59.497,58.086 cw(c-59.694,60.618) -59.694,58.078 -246.51,58.078 cw(c-246.51,60.618) -248.306,58.822 -249.827,60.343 ccw(c-251.623,58.547) -251.623,61.087 -270.564,61.087 ccw(c-270.564,59.001) -272.523,59.717 ccw(c-270.564,59.001) -272.65,59.001 -272.65,46.22 ccw(c-270.11,46.22) -271.446,44.06 ccw(c-270.11,46.22) -270.11,43.68 -267.926,43.68 cw(c-267.925,43.426) -267.703,43.548 ccw(c-265.225,44.907) -262.747,43.548 cw(c-262.525,43.426) -262.524,43.68 D242.2@-243.586,43.68 D240.2@-241.427,43.68 D239.2@-223.393,43.68 D238.2@-204.343,43.68 D237.2@-185.42,43.68 D236.2@-167.32,43.68 D235.2@-147.32,43.68 D234.2@-110.236,43.68 D233.2@-107.95,43.68 D232.2@-90.043,43.68 D231.2@-70.993,43.68 -56.388,43.68 D230.2@-52.07,43.68 ccw(c-50.427,43.68) -50.427,42.037 -25.646,42.037 ccw(c-25.646,43.68) D229.2@-24.003,43.68
row4: D243.2 D244.2 D245.2 D246.2 D247.2 D248.2 D249.2 D250.2 D251.2 D252.2 D253.2 D254.2 D255.2 D256.2 U301.12 | length 495.1
  Component Side w0.254: -274.943,32.153 cw(c-275.197,32.137) -274.943,32.136 -274.943,27.17 ccw(c-272.403,27.17) -272.403,24.63 D256.2@-267.335,24.63 D255.2@-237.109,24.63 D254.2@-234.95,24.63 D253.2@-213.995,24.63 D252.2@-194.945,24.63 D251.2@-175.768,24.63 D250.2@-156.718,24.63 D249.2@-137.668,24.63 D248.2@-118.618,24.63 D247.2@-99.695,24.63 D246.2@-80.645,24.63 D245.2@-61.595,24.63 D243.2@-43.561,24.63 D244.2@-41.468,24.63 ; -274.943,32.384 ccw(c-273.35,32.265) -274.943,32.154 cw(c-273.35,32.265) -274.278,33.565 ccw(c-274.425,33.772) -274.197,33.661 ccw(c-275.644,35.748) -273.104,35.748 -273.104,59.001 cw(c-270.564,59.001) -270.564,61.541 -251.623,61.541 cw(c-251.623,58.547) -249.505,60.663 -248.345,59.503 -247.983,59.141 ccw(c-246.51,60.618) -246.51,58.532 -64.186,58.532 ccw(c-64.186,61.072) -63.969,58.541 ccw(c-64.186,61.072) -62.39,59.276 -59.653,62.013 cw(c-57.857,60.217) -57.857,62.757 -53.377,62.757 cw(c-53.377,60.345) -51.672,62.051 cw(c-53.377,60.345) U301.12@-51.671,62.05 ccw(c-51.159,62.05) -51.521,61.688 U301.12@-50.504,60.672
row5: D257.2 D258.2 D259.2 D260.2 D261.2 D262.2 D263.2 D264.2 D265.2 D266.2 U301.11 | length 546.4
  Component Side w0.254: -172.339,5.604 -172.339,5.588 ; U301.11@-51.105,62.616 -50.91,62.421 cw(c-51.481,61.849) -50.673,61.849 ccw(c-49.945,61.849) -50.46,61.334 U301.11@-50.151,61.025 ; U301.11@-51.105,62.616 ccw(c-52.541,61.18) -52.541,63.211 -58.045,63.211 ccw(c-58.045,60.671) -59.841,62.467 -62.578,59.73 cw(c-64.374,61.526) -64.157,58.995 cw(c-64.374,61.526) -64.374,58.986 -246.51,58.986 cw(c-246.51,60.618) -247.015,59.066 cw(c-246.51,60.618) -247.663,59.463 -248.309,60.109 -248.341,60.142 -249.185,60.985 ccw(c-251.623,58.547) -250.284,61.725 ccw(c-251.623,58.547) -251.623,61.995 -270.637,61.995 ccw(c-270.637,59.455) -271.466,61.856 ccw(c-270.564,59.001) -273.558,59.001 -273.558,35.748 cw(c-275.644,35.748) -274.457,34.033 ccw(c-274.197,33.661) -274.56,33.934 cw(c-274.763,34.086) -274.607,33.886 ccw(c-273.35,32.265) -275.014,33.464 ccw(c-273.35,32.265) -275.397,32.138 cw(c-275.651,32.122) -275.397,32.121 -275.397,26.9 cw(c-277.937,26.9) -276.141,25.103 -282.212,19.032 ccw(c-280.416,17.236) -282.956,17.236 -282.956,8.12 ccw(c-280.416,8.12) -280.416,5.58 D266.2@-260.35,5.58 D265.2@-258.064,5.58 -257.33,5.58 ccw(c-257.33,7.775) -255.778,6.223 -254.998,7.003 cw(c-253.202,5.207) -253.202,7.747 -216.063,7.747 cw(c-216.063,5.207) -214.267,7.003 -213.487,6.223 ccw(c-211.935,7.775) -211.935,5.58 D264.2@-210.693,5.58 -210.701,5.588 -172.339,5.588 ; D257.2@-24.384,5.58 D258.2@-26.035,5.58 -27.583,5.58 cw(c-27.583,7.342) -28.829,6.096 -29.99,7.257 ccw(c-31.786,5.461) -31.786,8.001 -69.679,8.001 ccw(c-69.679,5.461) -71.475,7.257 D259.2@-73.152,5.58 D260.2@-75.311,5.58 -104.648,5.58 -104.648,5.588 -172.339,5.588
RST: CON302.2 R301.2 S301.2 U301.24 | length 35.8
  Component Side w0.254: U301.24@-49.444,55.863 -49.444,55.128 cw(c-51.254,55.128) U301.24@-49.974,53.848 -49.974,51.117 ccw(c-49.261,51.117) -49.261,50.404 R301.2@-48.895,50.404 ccw(c-47.513,50.404) -47.513,49.022 v1(-42.672,49.022) ; S301.2@-31.212,43.482 S301.2@-31.212,49.482 ccw(c-31.212,49.96) -30.734,49.96 CON302.2@-30.734,51.689 cw(c-30.972,51.689) CON302.2@-30.972,51.451
  Bottom Layer w0.254: v1(-42.672,49.022) -33.274,49.022 ccw(c-33.274,51.562) -30.734,51.562 CON302.2@-30.734,51.689
VCC: C302.2 C303.2 C304.2 C307.2 D303.1 Q301.2 R301.1 U301.4 U301.31 U301.32 | length 66.3
  Component Side w0.254: R301.1@-48.895,51.704 v1(-48.895,53.086) ; U301.4@-47.11,60.318 -46.093,61.335 cw(c-45.731,60.973) U301.4@-45.731,61.485 v1(-44.704,62.512) ; U301.31@-46.403,57.985 U301.32@-46.05,58.338 -45.315,58.338 cw(c-45.315,56.527) U301.32@-44.034,57.808 v1@-43.676,58.166 ; U301.31@-44.6,57.242 -44.183,56.825 ccw(c-43.434,57.574) -43.434,56.515 -42.56,56.515 ccw(c-42.56,57.023) -42.052,57.023 -42.044,57.023 -42.044,58.166
  Component Side w0.5: C304.2@-45.085,63.485 -45.085,63.432 ccw(c-43.784,63.432) v1(-44.704,62.512) ; v1(-43.307,58.293) ccw(c-43.18,58.293) -43.18,58.166 -42.044,58.166 -33.64,58.166 ccw(c-33.64,59.182) C302.2@-32.624,59.182 ccw(c-32.624,60.244) -31.562,60.244 Q301.2@-31.562,62.3 ; C307.2@-20.574,46.624 -20.574,46.609 v1(-19.177,46.609) -16.706,46.609 cw(c-16.706,46.565) D303.1@-16.662,46.565
  Bottom Layer w0.5: v1(-48.895,53.086) ccw(c-48.895,54.006) -48.245,53.355 v1(-43.307,58.293) -43.96,58.946 cw(c-42.164,60.742) -44.704,60.742 v1(-44.704,62.512) ; v1(-32.639,58.166) -32.639,55.438 ccw(c-30.099,55.438) -31.586,53.379 ccw(c-30.099,55.438) -30.099,52.898 -24.638,52.898 cw(c-24.638,50.358) -22.098,50.358 -22.098,49.149 ccw(c-19.558,49.149) -21.134,47.157 ccw(c-19.558,49.149) -19.558,46.609 v1(-19.177,46.609)
pads on no net: CON301. CON301.A8 CON301.B8 D301.1 D301.6 D302.1 D302.6 D303. D303.2 FID1.0 FID2.0 FID3.0 FID4.0 S201. S202. S203. S204. S205. S206. S207. S208. S209. S210. S211. S212. S213. S214. S215. S216. S217. S218. S219. S220. S221. S222. S223. S224. S225. S226. S227. S228. S228_2. S229. S230. S231. S232. S233. S234. S235. S236. S237. S238. S239. S240. S241. S242. S243. S244. S245. S246. S247. S248. S249. S250. S251. S252. S253. S254. S256. S257. S258. S259. S260. S261_1. S261_2. S262. S263_1. S263_2. S264. S265. S266. S269.

## Polygon pours and split planes (outlines as drawn)
GND on Component Side "Component Side-No Net" (hatched 45Degree grid 1.397 track 0.203, remove dead copper, shelved, pour order 1): -0.635,93.995 -0.635,0.65 -284.607,0.65 -284.607,93.995
GND on Bottom Layer "Component Side-No Net" (hatched 45Degree grid 1.397 track 0.203, remove dead copper, shelved, pour order 0): -0.635,93.995 -0.635,0.65 -284.607,0.65 -284.607,93.995

## Other copper
Component Side:
  region net GND: 1746 vertices and 2 holes, not listed, extent -118.967,6.898 -113.055,13.037

## Silkscreen, mask and mechanical layers (free items; w line width, h text height)
Top Overlay:
  text "RESET" at -33.274,48.133 h0.75 r270
Top Solder:
  drawing of 2 lines, arcs and shapes, not listed
outline:
  lines w0.1: -131.361,94.414 ccw(c-128.211,95.149) -125.061,94.415 ; -131.361,94.415 -182.809,94.415 cw(c-185.924,95.339) -185.925,92.09 -186.179,92.09 ccw(c-186.18,91.366) -186.692,91.878 cw(c-189.125,94.471) -192.625,93.844 ccw(c-193.195,93.845) -193.196,94.415 -222.695,94.415 ccw(c-222.696,93.845) -223.266,93.844 cw(c-228.225,94.614) -233.184,93.844 ccw(c-233.754,93.845) -233.755,94.415 -243.178,94.415 ccw(c-243.179,93.845) -243.749,93.844 cw(c-247.249,94.471) -250.749,93.844 ccw(c-251.319,93.845) -251.32,94.415 -269.659,94.415 cw(c-272.775,95.341) -275.891,94.415 -282.85,94.415 ccw(c-282.849,92.414) -284.85,92.415 -284.85,39.215 -284.85,39.04 -280.759,39.04 cw(c-280.759,37.79) -280.759,36.54 -284.85,36.54 -284.85,2.215 ccw(c-282.849,2.216) -282.85,0.215 -275.891,0.215 cw(c-272.776,-0.709) -272.775,2.54 -269.318,2.54 ccw(c-269.319,3.455) -268.672,2.808 cw(c-266.3,0.158) -262.799,0.786 ccw(c-262.229,0.785) -262.228,0.215 -240.884,0.215 ccw(c-240.885,0.772) -240.328,0.771 cw(c-235.369,0.001) -230.41,0.771 ccw(c-229.853,0.772) -229.854,0.215 -193.196,0.215 ccw(c-193.195,0.785) -192.625,0.786 cw(c-189.125,0.16) -186.682,2.743 ccw(c-186.19,3.237) -186.193,2.54 -185.925,2.54 cw(c-185.924,-0.709) -182.809,0.215 -102.203,0.215 ; -125.061,94.415 -102.191,94.415 ccw(c-99.076,95.339) -99.075,92.09 -98.849,92.09 cw(c-98.85,91.29) -98.285,91.856 ccw(c-95.875,94.471) -92.375,93.844 cw(c-91.805,93.845) -91.804,94.415 -62.305,94.415 cw(c-62.304,93.845) -61.734,93.844 ccw(c-56.775,94.615) -51.816,93.844 cw(c-51.246,93.845) -51.245,94.415 -41.822,94.415 cw(c-41.821,93.845) -41.251,93.844 ccw(c-37.751,94.471) -34.251,93.844 cw(c-33.681,93.845) -33.68,94.415 -13.341,94.415 ccw(c-10.225,95.341) -7.109,94.415 -2.15,94.415 cw(c-2.151,92.414) -0.15,92.415 -0.15,39.04 -4.241,39.04 ccw(c-4.241,37.79) -4.241,36.54 -0.15,36.54 ; -102.203,0.204 cw(c-99.088,-0.72) -99.087,2.529 -98.833,2.529 ccw(c-98.832,3.253) -98.32,2.741 cw(c-95.875,0.159) -92.375,0.786 ccw(c-91.805,0.785) -91.804,0.215 -55.146,0.215 ccw(c-55.147,0.772) -54.59,0.771 cw(c-49.631,0.001) -44.672,0.771 ccw(c-44.115,0.772) -44.116,0.215 -22.772,0.215 ccw(c-22.771,0.785) -22.201,0.786 cw(c-18.701,0.16) -16.234,2.72 ccw(c-15.799,3.155) -15.8,2.54 -12.225,2.54 cw(c-12.224,-0.709) -9.109,0.215 -2.15,0.215 ccw(c-2.151,2.216) -0.15,2.215 -0.15,36.543
Mechanical 2:
  circle w0.013: c-9.15,85.415 r1.994
  lines w0.013: -260.431,65.115 cw(c-260.431,66.365) -260.431,67.615 -257.931,67.615 cw(c-257.931,66.365) -257.931,65.115 -260.431,65.115 ; -232.987,36.996 cw(c-232.987,37.79) -232.987,38.584 -42.487,38.584 cw(c-42.487,37.79) -42.487,36.996 -232.987,36.996 ; -191.433,8.092 cw(c-191.433,9.342) -191.433,10.592 -188.933,10.592 cw(c-188.933,9.342) -188.933,8.092 -191.433,8.092 ; -129.463,46.065 cw(c-129.463,47.315) -129.463,48.565 -126.963,48.565 cw(c-126.963,47.315) -126.963,46.065 -129.463,46.065 ; -27.037,65.115 cw(c-27.037,66.365) -27.037,67.615 -24.537,67.615 cw(c-24.537,66.365) -24.537,65.115 -27.037,65.115
  lines w0.1: -102.203,0.204 cw(c-99.088,-0.72) -99.087,2.529 -98.833,2.529 ccw(c-98.832,3.253) -98.32,2.741 cw(c-95.875,0.159) -92.375,0.786 ccw(c-91.805,0.785) -91.804,0.215 -55.146,0.215 ccw(c-55.147,0.772) -54.59,0.771 cw(c-49.631,0.001) -44.672,0.771 ccw(c-44.115,0.772) -44.116,0.215 -22.772,0.215 ccw(c-22.771,0.785) -22.201,0.786 cw(c-18.701,0.16) -16.234,2.72 ccw(c-15.799,3.155) -15.8,2.54 -12.225,2.54 cw(c-12.224,-0.709) -9.109,0.215 -2.15,0.215 ccw(c-2.151,2.216) -0.15,2.215 -0.15,36.543 cw(c-0.241,37.79) -0.241,36.54 -4.241,36.54 cw(c-4.241,37.79) -4.241,39.04 -0.241,39.04 cw(c-0.241,37.79) -0.15,39.037 -0.15,39.215 -0.15,92.415 ccw(c-2.151,92.414) -2.15,94.415 -7.109,94.415 cw(c-10.225,95.341) -13.341,94.415 -33.68,94.415 ccw(c-33.681,93.845) -34.251,93.844 cw(c-37.751,94.471) -41.251,93.844 ccw(c-41.821,93.845) -41.822,94.415 -51.245,94.415 ccw(c-51.246,93.845) -51.816,93.844 cw(c-56.775,94.615) -61.734,93.844 ccw(c-62.304,93.845) -62.305,94.415 -91.804,94.415 ccw(c-91.805,93.845) -92.375,93.844 cw(c-95.875,94.471) -98.285,91.856 ccw(c-98.85,91.29) -98.849,92.09 -99.075,92.09 cw(c-99.076,95.339) -102.191,94.415 -182.809,94.415 cw(c-185.924,95.339) -185.925,92.09 -186.179,92.09 ccw(c-186.18,91.366) -186.692,91.878 cw(c-189.125,94.471) -192.625,93.844 ccw(c-193.195,93.845) -193.196,94.415 -222.695,94.415 ccw(c-222.696,93.845) -223.266,93.844 cw(c-228.225,94.614) -233.184,93.844 ccw(c-233.754,93.845) -233.755,94.415 -243.178,94.415 ccw(c-243.179,93.845) -243.749,93.844 cw(c-247.249,94.471) -250.749,93.844 ccw(c-251.319,93.845) -251.32,94.415 -269.659,94.415 cw(c-272.775,95.341) -275.891,94.415 -282.85,94.415 ccw(c-282.849,92.414) -284.85,92.415 -284.85,39.215 -284.85,39.037 cw(c-284.759,37.79) -284.759,39.04 -280.759,39.04 cw(c-280.759,37.79) -280.759,36.54 -284.759,36.54 cw(c-284.759,37.79) -284.85,36.543 -284.85,2.215 ccw(c-282.849,2.216) -282.85,0.215 -275.891,0.215 cw(c-272.776,-0.709) -272.775,2.54 -269.318,2.54 ccw(c-269.319,3.455) -268.672,2.808 cw(c-266.3,0.158) -262.799,0.786 ccw(c-262.229,0.785) -262.228,0.215 -240.884,0.215 ccw(c-240.885,0.772) -240.328,0.771 cw(c-235.369,0.001) -230.41,0.771 ccw(c-229.853,0.772) -229.854,0.215 -193.196,0.215 ccw(c-193.195,0.785) -192.625,0.786 cw(c-189.125,0.16) -186.682,2.743 ccw(c-186.19,3.237) -186.193,2.54 -185.925,2.54 cw(c-185.924,-0.709) -182.809,0.215 -102.203,0.215
Mechanical 16:
  drawing of 549 lines, arcs and shapes, not listed

## Text inside footprints (layer, text, board x,y; h text height)
CON301: Mechanical 15 "connector edge" at -15.25,95.5 h1 r180
S262: Mechanical 16 "7U" at -208.331,7.365 h1.52 r270; Mechanical 16 "6.25U" at -188.764,5.615 h1.52 r270